# Altium PCB DIO_MCX.PCBDOC (part 3 of 3)
Units mm, origin at the board's own origin, x right, y up, seen from the top; angles counter-clockwise.
Board outline 159.99 x 100 mm, 4 copper layers (L1, P2, P3, L4), stack 1.571 mm thick; 210 components, 126 nets, 816 pads, 324 vias.
Unrouted connection lines stored in the file: 1.
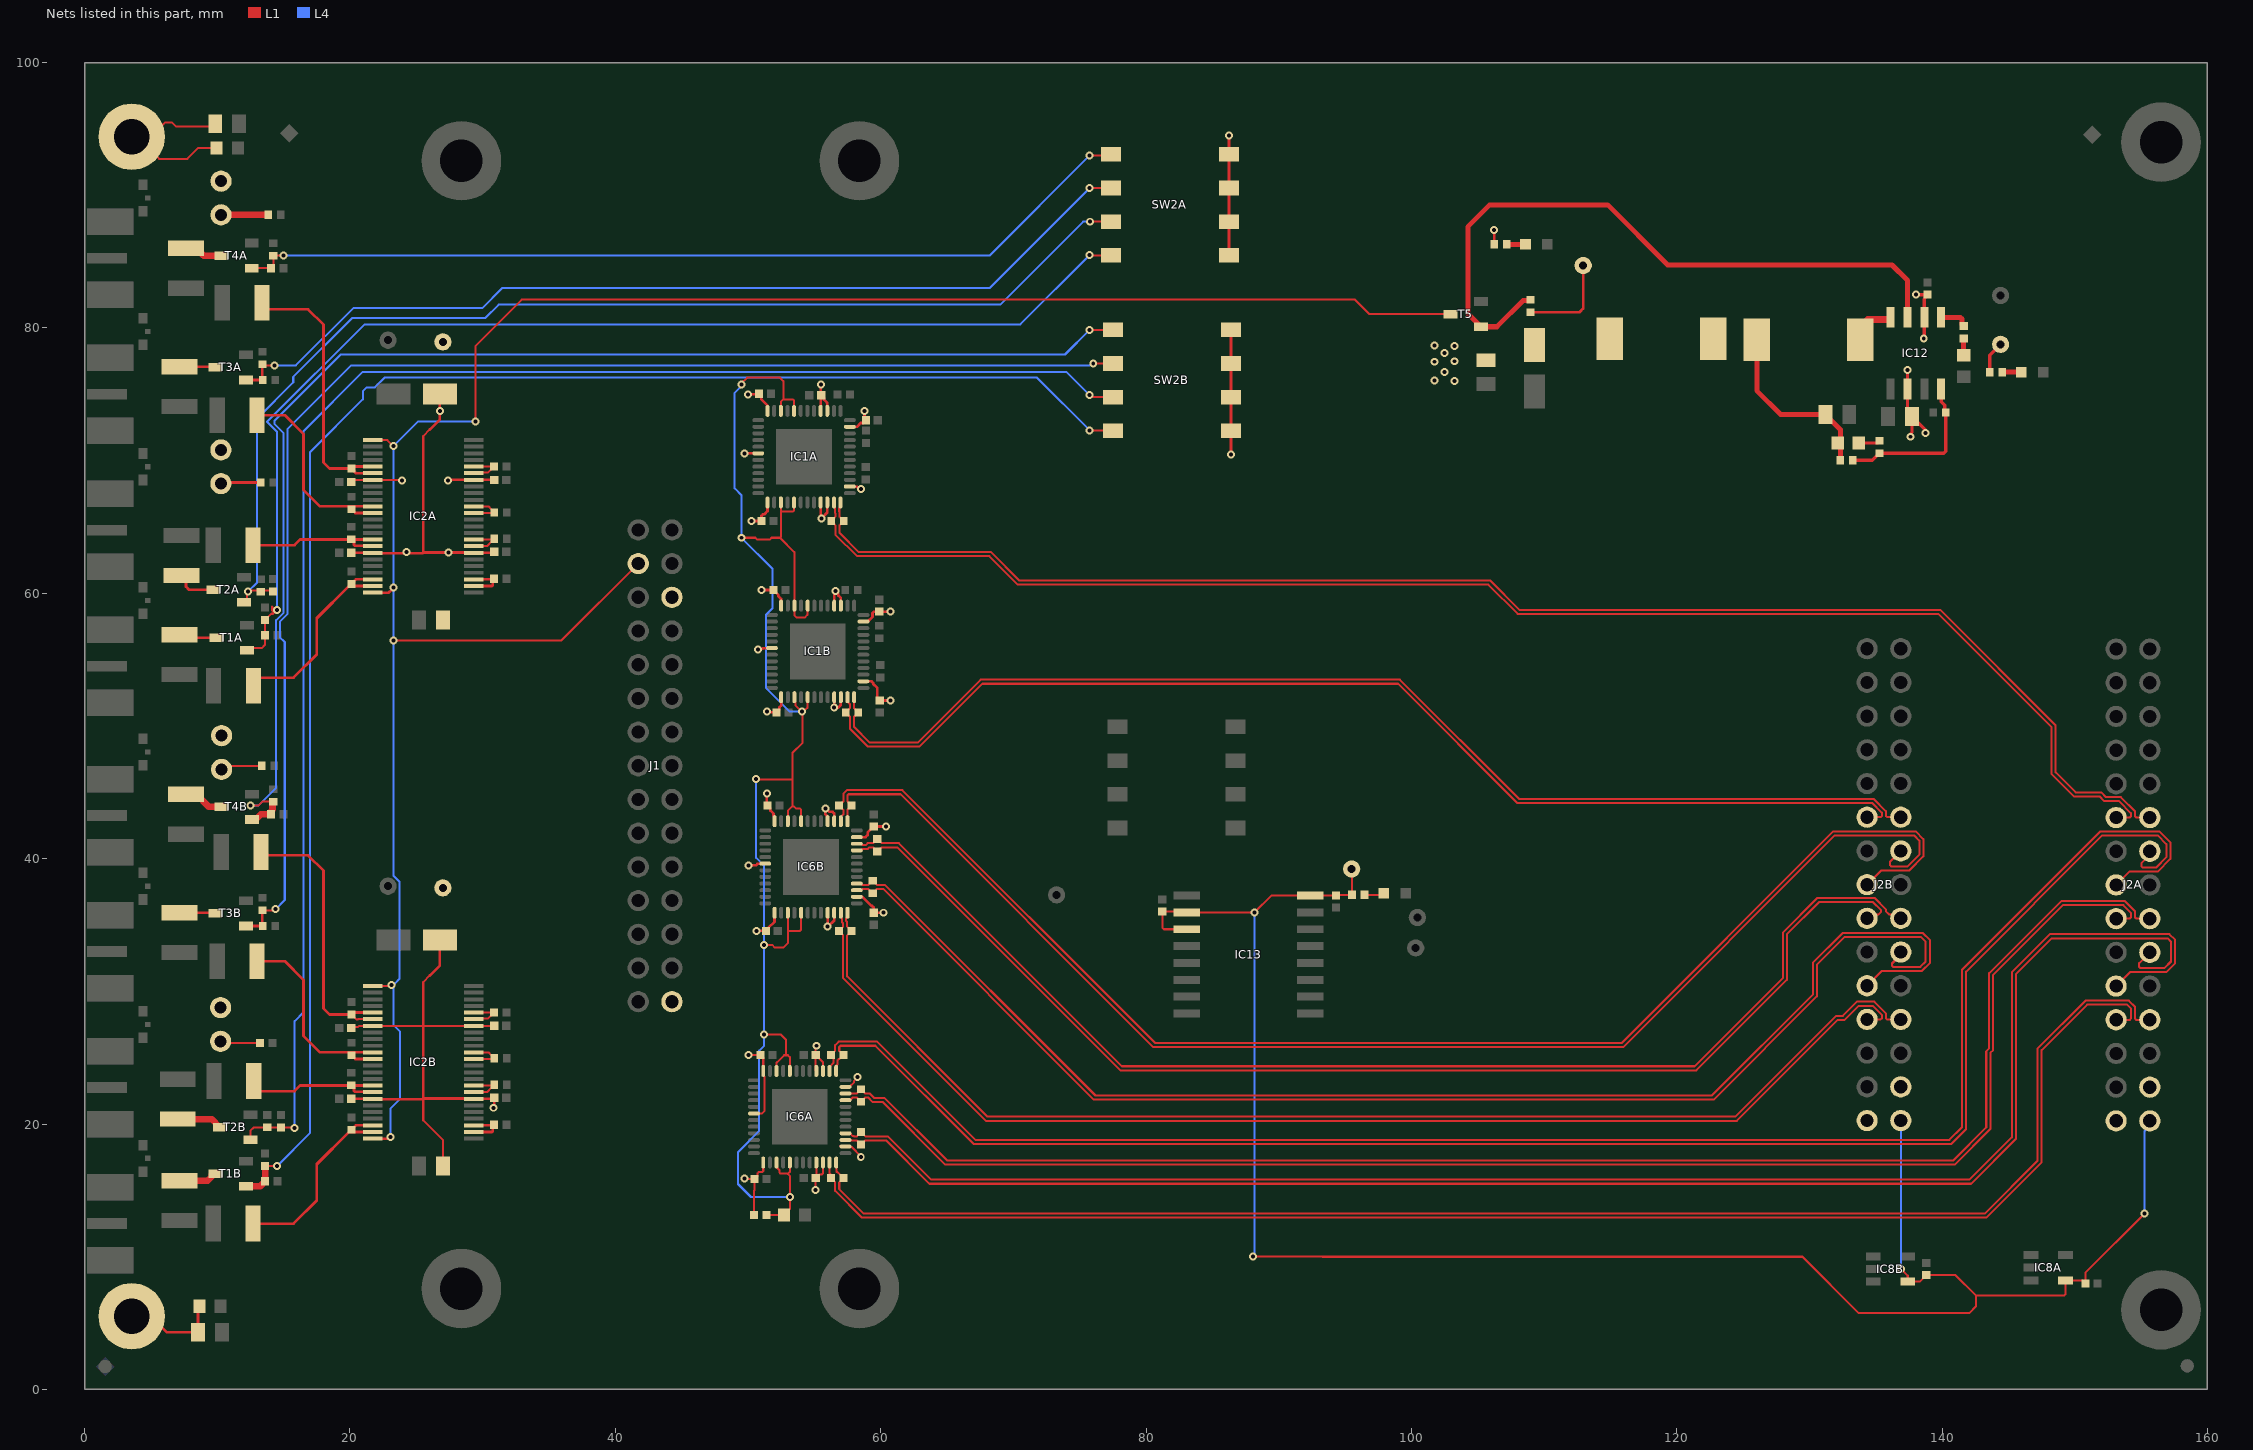
[diagram p5: the nets of this part, all layers, seen from the top]

## Via types
v1: diameter 0.6, hole 0.3, L1 to L4, tented both sides, 272 vias
v2: diameter 0.6, hole 0.3, L1 to L4, 52 vias

## Nets (pads, with @x,y where several pads share a name; then routed paths per layer and width w, separated by ;. In a path a pad name is that pad's centre, name@x,y a point inside that pad or via, vN(x,y) a via of type N, cw(c..) or ccw(c..) an arc to the next point about the centre after c; other vN are vias at no path point) (continued)
LVDS3A_N: IC1A.48 J2A.12 R7A.2 | length 112.6
  L1 w0.152: IC1A.48@56.975,66.85 56.975,66.51 56.877,66.412 56.877,66.171 56.896,66.152 56.896,65.772 56.986,65.682 57,65.682 57.214,65.469 R7A.2@57.214,65.449 57.214,65.429 57,65.215 56.986,65.215 56.896,65.126 56.896,64.551 58.347,63.101 68.32,63.101 70.457,60.964 105.927,60.964 108.142,58.75 139.843,58.75 148.555,50.038 148.555,46.502 150.057,45 151.989,45 152.354,44.635 153.463,44.635 154.537,43.562 154.537,43.188 154.626,43.098 J2A.12@155.654,43.098
LVDS3A_P: IC1A.47 J2A.11 R7A.1 | length 112.6
  L1 w0.152: IC1A.47@56.475,66.85 56.475,66.51 56.573,66.412 56.573,66.045 56.592,66.026 56.592,65.772 56.502,65.682 56.488,65.682 56.274,65.469 R7A.1@56.274,65.449 56.274,65.429 56.488,65.215 56.502,65.215 56.592,65.126 56.592,64.425 58.22,62.796 68.194,62.796 70.33,60.66 105.801,60.66 108.015,58.445 139.717,58.445 148.25,49.912 148.25,46.376 149.931,44.695 151.863,44.695 152.228,44.33 153.337,44.33 154.232,43.435 154.232,43.188 154.143,43.098 J2A.11@153.114,43.098
LVDS3B_N: IC1B.48 J2B.12 R7B.2 | length 88.4
  L1 w0.152: IC1B.48@58,52.17 57.987,52.157 57.987,51.348 58.077,51.259 58.091,51.259 58.305,51.045 R7B.2@58.305,51.025 58.305,51.005 58.091,50.791 58.077,50.791 57.987,50.702 57.987,49.935 59.172,48.75 62.793,48.75 67.531,53.488 99.128,53.488 108.116,44.5 134.853,44.5 135.766,43.587 135.766,43.213 135.855,43.124 J2B.12@136.884,43.124
LVDS3B_P: IC1B.47 J2B.11 R7B.1 | length 88.5
  L1 w0.152: IC1B.47@57.5,52.17 57.5,51.83 57.683,51.647 57.683,51.348 57.593,51.259 57.579,51.259 57.365,51.045 R7B.1@57.365,51.025 57.365,51.005 57.579,50.791 57.593,50.791 57.683,50.702 57.683,49.809 59.046,48.445 62.919,48.445 67.657,53.184 99.001,53.184 107.99,44.195 134.727,44.195 135.461,43.461 135.461,43.213 135.372,43.124 J2B.11@134.344,43.124
LVDS4A_N: IC6A.14 J2A.15 R5A.2 | length 129.1
  L1 w0.152: IC6A.14@56.15,24 56.15,24.328 56.373,24.552 56.373,24.559 56.443,24.629 56.443,24.966 R5A.2@56.299,25.111 ; R5A.2@56.255,25.2 56.255,25.22 56.469,25.434 56.483,25.434 56.573,25.523 56.573,25.937 56.84,26.205 59.726,26.205 67.131,18.8 140.55,18.8 141.5,19.75 141.5,31.619 151.936,42.055 156.376,42.055 157.208,41.224 157.208,39.983 156.246,39.022 154.118,39.022 J2A.15@153.114,38.018
LVDS4A_P: IC6A.13 J2A.14 R5A.1 | length 126.8
  L1 w0.152: IC6A.13@56.65,24 56.678,24.028 56.678,24.433 56.748,24.503 56.748,24.798 56.837,24.887 56.882,24.887 R5A.1@57.195,25.2 57.195,25.22 56.981,25.434 56.967,25.434 56.877,25.523 56.877,25.811 56.967,25.9 59.6,25.9 67.005,18.495 140.676,18.495 141.805,19.624 141.805,31.493 152.062,41.75 156.25,41.75 156.903,41.097 156.903,40.109 156.12,39.326 155.113,39.326 155.023,39.416 155.023,39.667 155.654,40.299 J2A.14@155.654,40.558
LVDS4B_N: IC6B.14 J2B.15 R5B.2 | length 105.1
  L1 w0.152: IC6B.14@57,42.825 57,43.165 57.183,43.348 57.183,43.677 57.093,43.766 57.079,43.766 56.865,43.98 R5B.2@56.865,44 56.865,44.02 57.079,44.234 57.093,44.234 57.183,44.323 57.183,44.892 57.45,45.16 61.626,45.16 80.681,26.105 115.841,26.105 131.791,42.055 138.008,42.055 138.586,41.478 138.586,40.172 137.524,39.111 135.411,39.111 J2B.15@134.344,38.044
LVDS4B_P: IC6B.13 J2B.14 R5B.1 | length 102.8
  L1 w0.152: IC6B.13@57.5,42.825 57.487,42.838 57.487,43.677 57.577,43.766 57.591,43.766 57.805,43.98 R5B.1@57.805,44 57.805,44.02 57.591,44.234 57.577,44.234 57.487,44.323 57.487,44.766 57.577,44.855 61.5,44.855 80.555,25.8 115.967,25.8 131.917,41.75 137.882,41.75 138.281,41.351 138.281,40.299 137.398,39.416 136.16,39.416 136.071,39.505 136.071,39.771 J2B.14@136.884,40.584
LVDS5A_N: IC6A.10 J2A.18 R24A.2 | length 116.3
  L1 w0.152: IC6A.10@57.35,22.3 57.353,22.303 58.202,22.303 58.291,22.392 58.291,22.407 58.505,22.621 R24A.2@58.525,22.621 58.545,22.621 58.759,22.407 58.759,22.392 58.848,22.303 59.19,22.303 59.537,21.956 60.303,21.956 65.008,17.25 140.826,17.25 143.326,19.75 143.326,25.484 143.542,25.7 143.542,31.366 148.98,36.805 153.781,36.805 154.537,36.049 154.537,35.568 154.626,35.478 J2A.18@155.654,35.478
LVDS5A_P: IC6A.9 J2A.17 R24A.1 | length 115.9
  L1 w0.152: IC6A.9@57.35,21.8 57.69,21.8 57.888,21.998 58.202,21.998 58.291,21.909 58.291,21.895 58.505,21.681 R24A.1@58.525,21.681 58.545,21.681 58.759,21.895 58.759,21.909 58.848,21.998 59.064,21.998 59.411,21.651 60.177,21.651 64.882,16.945 140.953,16.945 143.631,19.624 143.631,25.358 143.847,25.574 143.847,31.24 149.107,36.5 153.655,36.5 154.232,35.923 154.232,35.568 154.143,35.478 J2A.17@153.114,35.478
LVDS5B_N: IC6B.10 J2B.18 R24B.2 | length 94
  L1 w0.152: IC6B.10@58.2,41.125 58.54,41.125 58.638,41.027 58.879,41.027 59.015,41.164 59.427,41.164 59.516,41.253 59.516,41.268 59.73,41.482 R24B.2@59.75,41.482 59.77,41.482 59.984,41.268 59.984,41.253 60.073,41.164 61.376,41.164 78.185,24.355 121.355,24.355 128,31 128,34.431 130.61,37.041 134.901,37.041 135.766,36.175 135.766,36.049 136.035,35.781 136.607,35.781 J2B.18@136.884,35.504
LVDS5B_P: IC6B.9 J2B.17 R24B.1 | length 93.4
  L1 w0.152: IC6B.9@58.2,40.625 58.54,40.625 58.638,40.723 59.005,40.723 59.141,40.859 59.427,40.859 59.516,40.77 59.516,40.755 59.73,40.542 R24B.1@59.75,40.542 59.77,40.542 59.984,40.755 59.984,40.77 60.073,40.859 61.25,40.859 78.059,24.05 121.481,24.05 128.305,30.874 128.305,34.305 130.736,36.736 134.775,36.736 135.398,36.112 135.398,35.986 135.193,35.781 134.621,35.781 J2B.17@134.344,35.504
LVDS6A_N: IC6A.4 J2A.21 R21A.2 | length 124
  L1 w0.152: IC6A.4@57.35,19.3 57.69,19.3 57.909,19.081 57.983,19.081 57.986,19.077 58.202,19.077 58.291,19.167 58.291,19.181 58.505,19.395 R21A.2@58.525,19.395 58.545,19.395 58.759,19.181 58.759,19.167 58.848,19.077 60.526,19.077 63.799,15.805 142.055,15.805 145.25,19 145.25,31.431 148.124,34.305 157.126,34.305 157.555,33.876 157.555,32.124 156.876,31.445 154.161,31.445 J2A.21@153.114,30.398
LVDS6A_P: IC6A.3 J2A.20 R21A.1 | length 122.2
  L1 w0.152: IC6A.3@57.35,18.8 57.374,18.776 57.857,18.776 57.86,18.773 58.202,18.773 58.291,18.683 58.291,18.669 58.505,18.455 R21A.1@58.525,18.455 58.545,18.455 58.759,18.669 58.759,18.683 58.848,18.773 60.4,18.773 63.673,15.5 142.181,15.5 145.555,18.874 145.555,31.305 148.25,34 157,34 157.25,33.75 157.25,32.25 156.75,31.75 154.931,31.75 154.842,31.839 154.842,32.126 J2A.20@155.654,32.938
LVDS6B_N: IC6B.4 J2B.21 R21B.2 | length 101.6
  L1 w0.152: IC6B.4@58.2,38.125 58.54,38.125 58.638,38.027 59.077,38.027 59.166,38.117 59.166,38.131 59.38,38.345 R21B.2@59.4,38.345 59.42,38.345 59.634,38.131 59.634,38.117 59.723,38.027 60.315,38.027 76.191,22.151 122.651,22.151 130.25,29.75 130.25,32.144 132.503,34.397 138.548,34.397 139.068,33.876 139.068,32.124 138.479,31.534 135.454,31.534 J2B.21@134.344,30.424
LVDS6B_P: IC6B.3 J2B.20 R21B.1 | length 99.6
  L1 w0.152: IC6B.3@58.2,37.625 58.54,37.625 58.638,37.723 59.077,37.723 59.166,37.633 59.166,37.619 59.38,37.405 R21B.1@59.4,37.405 59.42,37.405 59.634,37.619 59.634,37.633 59.723,37.723 60.189,37.723 76.065,21.846 122.777,21.846 130.555,29.624 130.555,32.018 132.629,34.092 138.422,34.092 138.763,33.75 138.763,32.25 138.353,31.839 136.314,31.839 136.224,31.929 136.224,32.101 136.884,32.761 J2B.20@136.884,32.964
LVDS7A_N: IC6A.48 J2A.24 R16A.2 | length 114.7
  L1 w0.152: IC6A.48@56.65,17.1 56.678,17.072 56.678,16.389 56.699,16.368 ; 56.713,16.383 56.739,16.356 56.764,16.356 R16A.2@57.195,15.925 57.195,15.905 56.981,15.691 56.967,15.691 56.877,15.602 56.877,15.094 58.721,13.25 143.2,13.25 147.2,17.25 147.2,25.7 150.805,29.305 154.077,29.305 154.537,28.845 154.537,27.948 154.626,27.858 J2A.24@155.654,27.858
LVDS7A_P: IC6A.47 J2A.23 R16A.1 | length 114.5
  L1 w0.152: IC6A.47@56.15,17.1 56.15,16.28 56.255,16.175 R16A.1@56.255,15.925 56.255,15.905 56.469,15.691 56.483,15.691 56.573,15.602 56.573,14.968 58.595,12.945 143.326,12.945 147.505,17.124 147.505,25.574 150.931,29 153.951,29 154.232,28.719 154.232,27.948 154.143,27.858 J2A.23@153.114,27.858
LVDS7B_N: IC6B.48 J2B.24 R16B.2 | length 93.3
  L1 w0.152: IC6B.48@57.5,35.925 57.5,35.585 57.402,35.487 57.402,35.321 57.477,35.246 57.477,34.873 57.567,34.784 57.581,34.784 57.795,34.57 R16B.2@57.795,34.55 57.795,34.53 57.581,34.316 57.567,34.316 57.477,34.227 57.477,31.123 68.05,20.55 124.409,20.55 132.019,28.16 132.519,28.16 133.576,29.217 134.896,29.217 135.766,28.347 135.766,27.973 135.855,27.884 J2B.24@136.884,27.884
LVDS7B_P: IC6B.47 J2B.23 R16B.1 | length 93.3
  L1 w0.152: IC6B.47@57,35.925 57,35.585 57.098,35.487 57.098,35.195 57.173,35.12 57.173,34.873 57.083,34.784 57.069,34.784 56.855,34.57 R16B.1@56.855,34.55 56.855,34.53 57.069,34.316 57.083,34.316 57.173,34.227 57.173,30.996 67.924,20.245 124.535,20.245 132.145,27.855 132.645,27.855 133.702,28.912 134.77,28.912 135.461,28.221 135.461,27.973 135.372,27.884 J2B.23@134.344,27.884
Mezz_Buf_OEn: IC2A.25 IC2A.48 IC2B.25 IC2B.48 J1.28 T5.3 | length 168.7
  L1 w0.152: IC2B.25@21.725,30.4 23.228,30.4 v1(23.14,30.488) ; IC2A.25@21.725,71.55 22.825,71.55 23.275,71.1 v1(23.275,71.092) ; v1(23.049,19.024) v1@23.173,19.148 ; v1@23.173,60.298 23.275,60.4 v1(23.275,60.422) ; v1(23.275,56.454) 35.944,56.454 J1.28@41.73,62.24 ; v1(29.45,72.961) 29.45,78.635 32.947,82.132 95.75,82.132 96.842,81.04 T5.3@102.95,81.04
  L1 w0.203: IC2B.48@21.725,18.9 22.925,18.9 v1@23.173,19.148 ; IC2A.48@21.725,60.05 22.925,60.05 v1@23.173,60.298
  L4 w0.152: v1(23.049,19.024) 23.049,21.168 23.778,21.897 23.778,26.94 23.288,27.43 23.288,30.34 23.214,30.414 23.214,30.441 23.347,30.574 23.373,30.574 23.728,30.928 23.728,38.278 23.275,38.732 v1(23.275,56.454) v1(23.275,60.422) v1(23.275,71.092) 25.144,72.961 v1(29.45,72.961)
NetB13_1: B13.1 C5.1 R34.2 | length 4.8
  L1 w0.203: 5.9,4.6 6.2,4.3 C5.1@8.55,4.3 8.55,6.168 R34.2@8.65,6.268
NetB14_1: B14.1 C6.1 R35.2 | length 14.4
  L1 w0.152: C6.1@9.85,95.388 9.631,95.168 6.896,95.168 6.566,95.499 6.099,95.499 5.94,95.339 4.484,95.339 B14.1@3.556,94.412 3.965,94.412 5.627,92.75 7.75,92.75 8.568,93.568 R35.2@9.95,93.568
NetC94_1: C94.1 R68.2 | length 1.6
  L1 w0.254: C94.1@133.725,71.325 135.1,71.325 R68.2@135.27,71.495
NetC94_2: C94.2 C121.2 L1.1 L6.2 R101.2 | length 13.7
  L1 w0.381: L6.2@126.038,79.109 126.038,75.275 127.838,73.475 C121.2@131.2,73.475 132.33,72.345 132.33,71.325 R101.2@132.33,70.025
NetC95_2: C95.2 R104.1 | length 1.3
  L1 w0.381: C95.2@141.625,77.935 R104.1@141.625,79.205
NetIC1A_20: IC1A.20 IC1A.22 IC1A.39 IC1A.41 IC1B.20 IC1B.22 IC1B.39 IC1B.41 IC6A.20 IC6A.22 IC6A.39 IC6A.41 IC6B.20 IC6B.22 IC6B.39 IC6B.41 R30.1 R31.1 | length 122.3
  L1 w0.152: v1(49.5,64.187) 50.557,64.187 50.697,64.047 51.633,64.047 51.774,64.187 52.411,64.187 ; v1(49.5,75.725) 49.5,75.825 49.929,76.253 52.411,76.253 52.672,75.992 52.672,74.622 ; v1(50.607,46) 50.658,45.949 53.337,45.949 ; v1(51.189,26.75) 52.462,26.75 52.862,26.35 52.862,25.184 ; v1(51.189,33.5) 51.819,33.5 52.024,33.295 52.655,33.295 53,33.64 53,34.55 ; R30.1@51.391,13.15 R31.1@52.71,13.15 53.15,13.59 v1(53.15,14.5) 53.15,16.098 52.973,16.274 ; IC6A.39@52.15,17.1 52.15,16.76 52.224,16.686 52.224,16.676 52.363,16.537 52.363,16.364 52.452,16.274 52.973,16.274 ; IC6A.22@52.15,24 52.15,24.603 52.363,24.817 52.363,24.823 52.724,25.184 52.862,25.184 ; IC1A.39@52.475,66.85 52.475,66.175 52.5,66.15 ; IC1A.22@52.475,73.75 52.475,74.425 52.672,74.622 ; IC6B.39@53,35.925 53,34.55 ; IC6B.22@53,42.825 53,43.6 53.337,43.937 ; IC6A.41@53.15,17.1 53.15,16.4 53.024,16.274 52.973,16.274 ; IC6A.20@53.15,24 53.15,25.034 53,25.184 52.862,25.184 ; IC1A.41@53.475,66.85 53.475,66.239 53.386,66.15 52.5,66.15 ; IC1A.20@53.475,73.75 53.475,74.532 53.386,74.622 52.672,74.622 ; IC1B.39@53.5,52.17 53.5,51.83 53.574,51.756 53.574,51.576 v1(54.062,51.088) ; IC6B.41@54,35.925 53.997,35.922 53.997,34.652 53.896,34.55 53,34.55 ; IC6B.20@54,42.825 54,43.702 53.911,43.792 53.608,43.792 53.463,43.937 53.337,43.937 ; IC1B.41@54.5,52.17 54.475,52.145 54.475,51.375 54.188,51.088 v1(54.062,51.088) ; IC1B.20@54.5,59.07 54.475,59.045 54.475,58.37 54.265,58.16 53.683,58.16 53.5,58.343 IC1B.22@53.5,59.07 53.497,59.073 53.497,63.101 52.411,64.187 ; 52.411,64.187 52.5,64.276 52.5,66.15 ; 53.337,43.937 53.337,45.949 ; 53.337,45.949 53.337,47.962 54.125,48.75 54.125,51.025 v1(54.062,51.088)
  L4 w0.152: v1(49.5,75.725) 49.5,75.604 48.997,75.101 48.997,67.91 49.5,67.407 v1(49.5,64.187) 51.85,61.837 51.85,58.867 51.35,58.367 51.35,52.87 53.132,51.088 v1(54.062,51.088) ; v1(50.607,46) 50.607,40.06 51.189,39.478 v1(51.189,33.5) v1(51.189,26.75) 51.189,25.866 50.847,25.523 50.847,19.486 49.247,17.886 49.247,16.792 49.25,16.788 49.25,16.101 49.247,16.098 49.247,15.48 50.227,14.5 v1(53.15,14.5)
NetIC2A_2: IC2A.2 IC2A.3 R26A.1 | length 3.5
  L1 w0.203: IC2A.2@29.325,60.55 30.709,60.55 30.763,60.604 30.763,61.008 R26A.1@30.805,61.05 ; IC2A.3@29.325,61.05 R26A.1@30.805,61.05 ; R26A.1@30.855,61.1 R26A.1@30.805,61.05
NetIC2A_8: IC2A.8 IC2A.9 R27A.1 | length 3.4
  L1 w0.152: IC2A.8@29.325,63.55 30.329,63.55 30.661,63.882 30.875,64.096 R27A.1@30.875,64.116 30.809,64.05 IC2A.9@29.325,64.05
NetIC2A_13: IC2A.13 IC2A.14 R28A.1 | length 3.3
  L1 w0.152: IC2A.13@29.325,66.05 30.825,66.05 R28A.1@30.875,66.1 30.875,66.12 30.661,66.334 30.445,66.55 IC2A.14@29.325,66.55
NetIC2A_19: IC2A.19 IC2A.20 R29A.1 | length 3.3
  L1 w0.152: IC2A.19@29.325,69.05 29.365,69.09 30.395,69.09 30.621,69.316 30.641,69.316 30.855,69.53 R29A.1@30.855,69.55 IC2A.20@29.325,69.55
NetIC2A_29: IC2A.29 IC2A.30 R17A.2 R149A.2 | length 21.4
  L1 w0.203: R17A.2@13.374,81.9 13.874,81.4 16.849,81.4 18,80.249 18,69.874 18.47,69.404 R149A.2@20.11,69.404 ; IC2A.30@21.725,69.05 20.464,69.05 20.318,69.196 20.318,69.216 20.13,69.404 R149A.2@20.11,69.404 ; IC2A.29@21.725,69.55 20.256,69.55 R149A.2@20.11,69.404
NetIC2A_35: IC2A.35 IC2A.36 R15A.2 R146A.2 | length 15.8
  L1 w0.203: R15A.2@13,73.423 15.087,73.423 16.5,72.01 16.5,67.8 17.75,66.55 IC2A.35@21.725,66.55 ; R146A.2@20.11,66.33 20.13,66.33 20.41,66.05 IC2A.36@21.725,66.05
NetIC2A_40: IC2A.40 IC2A.41 R14A.2 R143A.2 | length 11.2
  L1 w0.203: R14A.2@12.7,63.626 15.826,63.626 16.25,64.05 R143A.2@20.15,64.05 ; R143A.2@20.1,64.08 20.12,64.08 R143A.2@20.15,64.05 ; IC2A.41@21.725,63.55 21.686,63.589 20.36,63.589 20.308,63.64 20.308,63.892 R143A.2@20.15,64.05 ; IC2A.40@21.725,64.05 R143A.2@20.15,64.05
NetIC2A_46: IC2A.46 IC2A.47 R12A.2 R140A.2 | length 15.3
  L1 w0.203: R12A.2@12.7,53.643 15.76,53.643 17.5,55.383 17.5,58.119 19.931,60.55 IC2A.47@21.725,60.55 ; R140A.2@20.11,60.709 20.13,60.709 20.318,60.897 20.318,60.917 20.451,61.05 IC2A.46@21.725,61.05
NetIC2B_2: IC2B.2 IC2B.3 R26B.1 | length 3.5
  L1 w0.203: IC2B.2@29.325,19.4 30.709,19.4 30.763,19.454 30.763,19.858 R26B.1@30.805,19.9 ; IC2B.3@29.325,19.9 R26B.1@30.805,19.9 ; R26B.1@30.855,19.95 R26B.1@30.805,19.9
NetIC2B_8: IC2B.8 IC2B.9 R27B.1 | length 3.4
  L1 w0.152: IC2B.8@29.325,22.4 30.329,22.4 30.661,22.732 30.875,22.946 R27B.1@30.875,22.966 30.809,22.9 IC2B.9@29.325,22.9
NetIC2B_13: IC2B.13 IC2B.14 R28B.1 | length 3.3
  L1 w0.152: IC2B.13@29.325,24.9 30.825,24.9 R28B.1@30.875,24.95 30.875,24.97 30.661,25.184 30.445,25.4 IC2B.14@29.325,25.4
NetIC2B_19: IC2B.19 IC2B.20 R29B.1 | length 3.3
  L1 w0.152: IC2B.19@29.325,27.9 29.365,27.94 30.395,27.94 30.621,28.166 30.641,28.166 30.855,28.38 R29B.1@30.855,28.4 IC2B.20@29.325,28.4
NetIC2B_29: IC2B.29 IC2B.30 R17B.2 R149B.2 | length 21.4
  L1 w0.152: R149B.2@20.11,28.254 20.478,27.886 20.605,27.886 20.619,27.9 IC2B.30@21.725,27.9
  L1 w0.203: R17B.2@13.374,40.75 13.874,40.25 16.849,40.25 18,39.099 18,28.724 18.47,28.254 R149B.2@20.11,28.254 20.256,28.4 IC2B.29@21.725,28.4
NetIC2B_35: IC2B.35 IC2B.36 R15B.2 R146B.2 | length 15.8
  L1 w0.203: R15B.2@13,32.273 15.087,32.273 16.5,30.86 16.5,26.65 17.75,25.4 IC2B.35@21.725,25.4 ; R146B.2@20.11,25.18 20.13,25.18 20.41,24.9 IC2B.36@21.725,24.9
NetIC2B_40: IC2B.40 IC2B.41 R14B.2 R143B.2 | length 11.2
  L1 w0.203: R14B.2@12.7,22.476 15.826,22.476 16.25,22.9 R143B.2@20.15,22.9 ; R143B.2@20.1,22.93 20.12,22.93 R143B.2@20.15,22.9 ; IC2B.41@21.725,22.4 21.686,22.439 20.36,22.439 20.308,22.49 20.308,22.742 R143B.2@20.15,22.9 ; IC2B.40@21.725,22.9 R143B.2@20.15,22.9
NetIC2B_46: IC2B.46 IC2B.47 R12B.2 R140B.2 | length 15.3
  L1 w0.203: R12B.2@12.7,12.493 15.76,12.493 17.5,14.233 17.5,16.969 19.931,19.4 IC2B.47@21.725,19.4 ; R140B.2@20.11,19.559 20.13,19.559 20.318,19.747 20.318,19.767 20.451,19.9 IC2B.46@21.725,19.9
NetIC12_4: IC12.4 R68.1 R101.1 R103.1 | length 12.1
  L1 w0.254: R101.1@133.27,70.025 134.74,70.025 R68.1@135.27,70.555 140.121,70.555 140.27,70.704 R103.1@140.27,73.625 140.188,73.707 140.188,74.167 139.93,74.425 IC12.4@139.93,75.4
NetIC12_5: IC12.5 R104.2 | length 2.2
  L1 w0.381: IC12.5@139.93,80.8 141.375,80.8 141.506,80.67 141.506,80.245 141.605,80.145 R104.2@141.625,80.145
NetIC12_7: IC12.7 R105.1 T5.1 | length 51.5
  L1 w0.381: R105.1@108.975,82.132 108.897,82.054 108.407,82.054 106.443,80.09 T5.1@105.25,80.09 104.25,81.09 104.25,87.624 105.901,89.275 114.793,89.275 119.318,84.75 136.23,84.75 137.39,83.59 IC12.7@137.39,80.8
NetIC12_8: IC12.8 L6.1 | length 3.6
  L1 w0.5: L6.1@133.838,79.109 133.838,80.072 134.4,80.634 136.07,80.634 136.12,80.684 IC12.8@136.12,80.8
NetLD1_1: LD1.1 R2.1 | length 3
  L1 w0.203: LD1.1@10.274,68.267 10.357,68.35 R2.1@13.28,68.35
NetLD2_1: LD2.1 R1.1 | length 3.6
  L1 w0.5: LD2.1@10.283,88.523 R1.1@13.844,88.523
NetLD3_1: LD3.1 R32.1 | length 3
  L1 w0.152: LD3.1@10.25,26.236 10.38,26.106 R32.1@13.218,26.106
NetLD4_2: LD4.2 R6.1 | length 1.4
  L1 w0.381: R6.1@144.527,76.665 LD4.2@145.975,76.665
NetLD5_1: LD5.1 R33.1 | length 3.1
  L1 w0.152: LD5.1@10.323,46.73 10.593,47 R33.1@13.36,47
NetLD7_2: LD7.2 R8.2 | length 1.4
  L1 w0.381: R8.2@107.182,86.3 LD7.2@108.6,86.3
NetLD9_2: LD9.2 R10.2 | length 1.5
  L1 w0.152: R10.2@96.47,37.274 97.814,37.274 LD9.2@97.925,37.385
NetR139A_1: R139A.1 T1A.3 | length 2.9
  L1 w0.152: R139A.1@7.15,56.883 7.383,56.65 T1A.3@9.933,56.65
NetR139B_1: R139B.1 T1B.3 | length 3
  L1 w0.5: R139B.1@7.15,15.733 9.285,15.733 9.578,16.026 9.578,16.179 9.653,16.254 T1B.3@9.853,16.254
NetR142A_1: R142A.1 T2A.3 | length 3.5
  L1 w0.152: R142A.1@7.055,61.101 R142A.1@7.305,61.351
  L1 w0.203: R142A.1@7.305,61.351 7.65,61.006 7.65,60.501 7.883,60.269 T2A.3@9.7,60.269
NetR142B_1: R142B.1 T2B.3 | length 3.4
  L1 w0.5: R142B.1@7.016,20.371 9.584,20.371 T2B.3@10.192,19.763
NetR145A_1: R145A.1 T3A.3 | length 2.7
  L1 w0.203: R145A.1@7.15,77.081 9.798,77.081 T3A.3@9.85,77.029
NetR145B_1: R145B.1 T3B.3 | length 2.7
  L1 w0.203: R145B.1@7.15,35.931 9.798,35.931 T3B.3@9.85,35.879
NetR148A_1: R148A.1 T4A.3 | length 2.9
  L1 w0.5: R148A.1@7.65,86 8.425,86 8.975,85.45 T4A.3@10.3,85.45
NetR148B_1: R148B.1 T4B.3 | length 3
  L1 w0.5: R148B.1@7.65,44.85 8.425,44.85 9.375,43.9 T4B.3@10.3,43.9
P3V3: B5.1 B9A.1 B9B.1 C1A.2 C1B.2 C2A.2 C2B.2 C3A.2 C3B.2 C4A.2 C4B.2 C7A.2 C7B.2 C8A.2 C8B.2 C9A.2 C9B.2 C11A.2 C11B.2 C12A.2 C12B.2 C13.1 C14.2 C48A.2 C48B.2 C49A.2 C49B.2 C50A.2 C50B.2 C51A.2 C51B.2 C52A.1 C52B.1 IC1A.2 IC1A.11 IC1A.15 IC1A.16 IC1A.24 IC1A.30 IC1A.37 IC1A.45 IC1A.46 IC1B.2 IC1B.11 IC1B.15 IC1B.16 IC1B.24 IC1B.30 IC1B.37 IC1B.45 IC1B.46 IC2A.7 IC2A.18 IC2A.31 IC2A.42 IC2B.7 IC2B.18 IC2B.31 IC2B.42 IC6A.2 IC6A.11 IC6A.15 IC6A.16 IC6A.24 IC6A.30 IC6A.37 IC6A.45 IC6A.46 IC6B.2 IC6B.11 IC6B.15 IC6B.16 IC6B.24 IC6B.30 IC6B.37 IC6B.45 IC6B.46 J1.1 J1.25 L1.2 LD1.2 LD2.2 LD3.2 LD5.2 R8.1 R30.2 R105.2 SW2A.1 SW2A.2 SW2A.3 SW2A.4 SW2B.1 SW2B.2 SW2B.3 SW2B.4 | length 166.6
  L1 w0.152: C48B.2@20.1,27.231 20.17,27.301 20.6,27.301 20.699,27.4 IC2B.31@21.725,27.4 25.525,27.4 ; C48A.2@20.1,68.381 20.269,68.55 IC2A.31@21.725,68.55 23.882,68.55 v1(23.925,68.507) ; 25.496,21.871 25.525,21.9 ; 25.496,63.021 25.525,63.05 25.525,71.85 26.025,72.35 ; 25.525,27.357 25.525,21.9 ; 26.025,31.2 25.525,30.7 25.525,27.4 ; C12B.2@27,16.839 27,18.8 25.525,20.275 25.525,21.9 ; C50B.2@30.875,27.4 IC2B.18@29.325,27.4 25.525,27.4 ; v1(49.75,15.889) 49.776,15.864 C2A.2@50.5,15.864 ; v1(50.04,25.211) C7A.2@50.95,25.211 51.15,25.011 IC6A.24@51.15,24 51.15,23.66 51.25,23.56 51.25,20.989 51.061,20.8 IC6A.30@50.45,20.8 ; R30.2@50.451,13.15 50.451,14.951 50.5,15 C2A.2@50.5,15.864 ; IC6A.37@51.15,17.1 51.15,16.466 51.061,16.377 50.81,16.377 50.718,16.284 50.718,16.081 C2A.2@50.5,15.864 ; v1(55.1,15.025) C11A.2@55.1,15.925 C11A.2@55.15,15.975 ; IC6A.45@55.15,17.4 IC6A.45@55.15,17.1 C11A.2@55.15,15.975 ; IC6A.16@55.15,24 55.1,24.05 C3A.2@55.1,25.2 ; v1(55.175,25.9) 55.1,25.825 C3A.2@55.1,25.2 ; IC6A.46@55.65,17.1 55.65,16.289 55.561,16.2 55.375,16.2 C11A.2@55.15,15.975 ; IC6A.15@55.65,24 55.65,24.659 55.561,24.749 55.551,24.749 C3A.2@55.1,25.2 ; IC6A.2@56.924,18.328 57.322,18.328 IC6A.2@57.35,18.3 57.378,18.272 57.808,18.272 58.5,17.58 v1(58.5,17.5) ; IC6A.11@57.35,22.8 57.65,22.8 58.003,23.154 58.003,23.247 58.25,23.494 v1(58.25,23.56)
  L1 w0.203: C51B.2@20.09,21.9 IC2B.42@21.725,21.9 21.754,21.871 25.496,21.871 ; C51A.2@20.09,63.05 IC2A.42@21.725,63.05 21.754,63.021 25.496,63.021 ; 25.525,21.9 25.554,21.929 29.296,21.929 IC2B.7@29.325,21.9 30.799,21.9 C49B.2@30.875,21.976 30.875,21.276 v1(30.825,21.226) ; 25.525,63.05 25.554,63.079 v1(27.425,63.079) 29.296,63.079 IC2A.7@29.325,63.05 30.799,63.05 C49A.2@30.875,63.126 ; 26.025,31.2 26.775,31.95 C52B.1@26.775,33.873 ; 26.025,72.35 26.775,73.1 v1(26.775,73.756) C52A.1@26.775,75.023 C52A.1@26.925,75.173 ; v1(27.403,68.507) 27.446,68.55 IC2A.18@29.325,68.55 C50A.2@30.875,68.55 ; v1(49.75,70.55) IC1A.30@50.775,70.55 ; v1(50,75) 50.783,75 C8A.2@50.825,75.042 51.006,74.861 51.006,74.622 51.475,74.153 IC1A.24@51.475,73.75 ; v1(50.04,39.5) 50.607,39.5 50.714,39.606 51.281,39.606 IC6B.30@51.3,39.625 ; v1(50.25,65.449) C9A.2@51.025,65.449 51.025,65.84 51.144,65.959 51.246,65.959 51.475,66.188 IC1A.37@51.475,66.85 ; v1(50.638,34.565) 51.335,34.565 C1B.2@51.35,34.55 51.558,34.758 51.558,34.802 52,35.243 IC6B.37@52,35.925 ; v1(50.75,55.75) 50.826,55.826 51.093,55.826 51.138,55.87 IC1B.30@51.8,55.87 ; v1(51.025,60.237) 51.031,60.243 C11B.2@51.925,60.243 52.286,59.881 52.286,59.777 52.481,59.582 52.481,59.089 IC1B.24@52.5,59.07 ; v1(51.425,44.904) 51.425,44.05 C2B.2@51.475,44 51.683,43.792 51.683,43.635 51.916,43.402 51.916,43.235 52,43.151 IC6B.24@52,42.825 ; v1(51.425,51.088) 51.488,51.025 C3B.2@52.15,51.025 52.358,51.233 52.358,51.389 52.5,51.53 IC1B.37@52.5,52.17 ; IC1A.45@55.475,66.85 55.475,65.7 v1(55.525,65.65) 55.975,66.1 IC1A.46@55.975,66.85 ; IC1A.16@55.475,73.75 55.475,75.725 v1(55.5,75.75) ; C4A.2@55.525,74.93 55.733,74.721 55.733,74.597 55.852,74.478 55.856,74.478 55.975,74.359 IC1A.15@55.975,73.75 ; IC6B.45@56,35.925 v1(56,34.873) 56.035,34.873 56.5,35.338 IC6B.46@56.5,35.925 ; IC6B.16@56,42.825 56,43.151 55.952,43.2 55.952,43.223 55.834,43.341 v1(55.834,43.792) 55.888,43.792 56.151,43.528 56.381,43.528 56.5,43.409 IC6B.15@56.5,42.825 ; IC1B.45@56.5,52.02 v1(56.5,51.394) 56.811,51.394 56.981,51.565 56.981,52.152 IC1B.46@57,52.17 ; IC1B.16@56.5,59.07 56.5,59.85 56.507,59.858 56.507,60.092 v1(56.583,60.168) 56.806,59.945 56.806,59.838 57,59.645 IC1B.15@57,59.07 ; IC1A.2@57.675,68.05 57.694,68.031 58.224,68.031 58.393,67.863 v1(58.5,67.863) ; IC1A.11@57.675,72.55 58.227,72.55 58.361,72.683 58.361,72.708 58.494,72.842 58.677,72.842 C1A.2@58.885,73.05 58.782,73.153 v1(58.782,73.75) ; IC6B.11@58.2,41.625 58.862,41.625 59.024,41.786 59.024,41.974 C7B.2@59.475,42.425 60.398,42.425 v1(60.4,42.423) ; IC6B.2@58.25,37.125 IC6B.2@58.2,37.125 58.219,37.106 58.633,37.106 59.305,36.435 59.356,36.435 59.475,36.316 C9B.2@59.475,35.925 v1(60.21,35.925) ; IC1B.2@58.7,53.37 59.317,53.37 59.436,53.251 59.436,53.184 59.75,52.87 59.75,52.11 C4B.2@59.935,51.925 v1(60.75,51.925) ; IC1B.11@58.7,57.87 59.026,57.87 59.148,57.991 59.157,57.991 59.379,58.213 59.379,58.501 59.498,58.62 C8B.2@59.9,58.62 v1(60.75,58.62) ; SW2A.1@86.25,85.465 v1(86.25,94.5) ; v1(86.4,70.474) SW2B.3@86.4,77.32 SW2B.4@86.4,79.86 ; v1(106.212,87.37) 106.242,87.34 R8.1@106.242,86.3 ; R105.2@108.975,81.192 112.688,81.192 112.95,81.454 B5.1@112.95,84.7
  other v1: 24.25,63.126 103.25,76 101.75,76.05 102.5,76.665 101.75,77.452 103.25,77.49 102.5,78.115 103.25,78.64 101.75,78.675
P3V3_MP: B3.1 C10A.2 C10B.2 C37.2 C38.2 IC8A.4 IC8B.4 IC13.2 IC13.3 IC13.16 J2A.30 J2B.30 R10.1 | length 145.3
  L1 w0.152: IC13.3@83.075,34.68 81.345,34.68 81.225,34.8 C38.2@81.225,36.025 83,36.025 IC13.2@83.075,35.95 v1(88.176,35.95) 89.446,37.22 IC13.16@92.375,37.22 94.319,37.22 C10B.2@94.323,37.224 94.373,37.274 R10.1@95.53,37.274 95.53,39.195 B3.1@95.5,39.225 ; v1(88.075,10) 93.288,10 93.292,9.997 129.476,9.997 133.723,5.75 142.036,5.75 142.536,6.25 142.536,7.087 ; v1(136.909,9.073) 137.409,8.573 IC8B.4@137.409,8.123 138.309,8.123 C37.2@138.809,8.623 141,8.623 142.536,7.087 ; v1(155.25,13.25) 150.8,8.8 C10A.2@150.8,7.985 150.562,8.223 IC8A.4@149.3,8.223 149.3,7.177 149.211,7.087 142.536,7.087
  L4 w0.152: v1(88.075,10) 88.075,10.121 88.176,10.222 v1(88.176,35.95) ; J2B.30@136.884,20.264 136.884,9.098 v1(136.909,9.073) ; v1(155.25,13.25) 155.25,19.442 155.654,19.847 J2A.30@155.654,20.238
P12V0: B6.1 C93.2 C123.2 IC12.2 IC12.6 J2A.28 J2A.29 J2B.28 J2B.29 R6.2 | length 13.6
  L1 w0.254: v1(137.39,76.835) IC12.2@137.39,75.4 137.39,73.66 C123.2@137.725,73.325 ; v1(137.603,71.8) 137.669,71.866 137.669,72.066 137.725,72.122 C123.2@137.725,73.325 ; v1(138.025,82.522) 138.032,82.515 C93.2@138.89,82.515 138.707,82.332 138.707,82.23 138.66,82.183 IC12.6@138.66,80.8 138.66,79.26 v1(138.615,79.215) ; v1(138.763,72.075) 138.697,72.141 138.697,72.353 C123.2@137.725,73.325 ; R6.2@143.587,76.665 143.587,77.945 B6.1@144.407,78.765
TERM_IOAA: R18A.1 R19A.2 SW2A.8 T1A.1 | length 88.7
  L1 w0.152: T1A.1@12.233,55.7 12.403,55.87 13.36,55.87 13.6,56.11 R18A.1@13.6,57.989 14.07,58.459 14.211,58.459 14.3,58.549 14.113,58.736 14.113,58.999 14.13,58.999 14.379,58.75 v1(14.5,58.75) ; v1(75.75,85.5) 75.785,85.465 SW2A.8@77.35,85.465
  L4 w0.152: v1(14.5,58.75) 14.5,72.173 13.75,72.923 21.102,80.275 70.525,80.275 v1(75.75,85.5)
TERM_IOAB: R18B.1 R19B.2 SW2B.8 T1B.1 | length 123.4
  L1 w0.152: R18B.1@13.6,16.839 v1(14.512,16.839) ; v1(75.75,72.283) 77.457,72.283 SW2B.8@77.5,72.24
  L1 w0.5: T1B.1@12.153,15.304 13.218,15.304 R19B.2@13.605,15.691 13.605,16.834 R18B.1@13.6,16.839
  L4 w0.152: v1(14.512,16.839) 17,19.328 17,70.65 20.972,74.622 20.972,75.232 21.267,75.526 21.876,75.526 22.603,76.253 71.78,76.253 v1(75.75,72.283)
TERM_IOBA: R20A.2 R25A.1 SW2A.7 T2A.1 | length 87.1
  L1 w0.152: T2A.1@12,59.319 12.233,59.552 12.233,60.05 v1(12.305,60.122) 12.377,60.194 R25A.1@14.265,60.194 ; R25A.1@14.211,60.14 R25A.1@14.265,60.194 ; R25A.1@14.32,60.249 R25A.1@14.265,60.194 ; v1(75.785,88.005) SW2A.7@77.35,88.005
  L4 w0.152: v1(12.305,60.122) 13,60.817 13,73.173 15.727,75.9 15.727,76.308 20.169,80.75 30.209,80.75 31.209,81.75 69,81.75 75.255,88.005 v1(75.785,88.005)
TERM_IOBB: R20B.2 R25B.1 SW2B.7 T2B.1 | length 120.6
  L1 w0.152: T2B.1@12.492,18.813 12.492,19.491 12.741,19.74 R25B.1@14.81,19.74 15.801,19.74 v1(15.826,19.715) ; v1(75.75,74.93) 75.871,74.93 76.021,74.78 SW2B.7@77.5,74.78
  L4 w0.152: v1(15.826,19.715) 15.826,27.747 16.5,28.421 16.5,72.223 20.962,76.685 73.995,76.685 v1(75.75,74.93)
TERM_IOCA: R3A.1 R22A.2 SW2A.6 T3A.1 | length 72
  L1 w0.152: R3A.1@13.4,77.261 13.488,77.173 v1(14.3,77.173) ; v1(75.75,90.545) SW2A.6@77.35,90.545
  L1 w0.203: T3A.1@12.15,76.079 R22A.2@13.43,76.079 13.4,76.109 R3A.1@13.4,77.261
  L4 w0.152: v1(14.3,77.173) 15.923,77.173 20.25,81.5 29.959,81.5 31.459,83 68.205,83 v1(75.75,90.545)
TERM_IOCB: R3B.1 R22B.2 SW2B.6 T3B.1 | length 104.6
  L1 w0.152: R3B.1@13.4,36.111 14.31,36.111 v1(14.392,36.193) ; v1(76.021,77.32) SW2B.6@77.5,77.32
  L1 w0.203: T3B.1@12.15,34.929 R22B.2@13.43,34.929 13.4,34.959 R3B.1@13.4,36.111
  L4 w0.152: v1(14.392,36.193) 15.087,36.888 15.087,56.329 14.721,56.695 14.721,57.864 15.283,58.426 15.283,72.358 20.098,77.173 75.753,77.173 75.9,77.32 v1(76.021,77.32)
TERM_IODA: R4A.1 R23A.2 SW2A.5 T4A.1 | length 68.8
  L1 w0.152: T4A.1@12.6,84.5 R23A.2@14.055,84.5 14.224,84.669 R4A.1@14.224,85.45 v1(14.995,85.45) ; v1(75.75,93) 77.265,93 SW2A.5@77.35,93.085
  L4 w0.152: v1(14.995,85.45) 68.2,85.45 v1(75.75,93)
TERM_IODB: R4B.1 R23B.2 SW2B.5 T4B.1 | length 100.9
  L1 w0.152: v1(12.5,44) 13.1,44 13.4,44.3 14.204,44.3 R4B.1@14.224,44.3 ; v1(75.75,79.86) SW2B.5@77.5,79.86
  L1 w0.5: T4B.1@12.9,42.95 13.3,43.35 R23B.2@14.055,43.35 14.095,43.39 14.095,43.634 14.164,43.703 14.164,44.26 R4B.1@14.204,44.3
  L4 w0.152: v1(12.5,44) 13.1,44 14.441,45.341 14.441,57.98 15.003,58.541 15.003,72.065 14.3,72.768 14.3,72.985 19.315,78 73.89,78 v1(75.75,79.86)
pads on no net: FTG1.FTG2 FTG2.FTG2 FTG17.FTG2 FTG18.1 FTG19.1 FTG20.1 IC1A.17 IC1A.44 IC1B.17 IC1B.44 IC2A.5 IC2A.6 IC2A.11 IC2A.12 IC2A.16 IC2A.17 IC2A.22 IC2A.23 IC2A.26 IC2A.27 IC2A.32 IC2A.33 IC2A.37 IC2A.38 IC2A.43 IC2A.44 IC2B.5 IC2B.6 IC2B.11 IC2B.12 IC2B.16 IC2B.17 IC2B.22 IC2B.23 IC2B.26 IC2B.27 IC2B.32 IC2B.33 IC2B.37 IC2B.38 IC2B.43 IC2B.44 IC6A.17 IC6A.44 IC6B.17 IC6B.44 IC8A.5 IC8B.5 IC13.9 IC13.10 IC13.11 IC13.12 IC13.13 LD15A.3 LD15B.3 LD16A.3 LD16B.3 LD17A.3 LD17B.3 LD18A.3 LD18B.3

## Polygon pours and split planes (outlines as drawn)
no net on L1 "NONET_L-01_P-001" (solid, pour order 8): 0.51,99.489 159,99.489 159,0.51 0.51,0.51
P3V3 on L1 "NONET_L-01_P-001" (solid, remove dead copper, pour order 6): 101.75,79.31 106.742,79.31 109.094,81.662 116.527,81.662 118,80.189 118,75.4 117.525,74.925 102,74.925 101.206,75.719 101.206,78.766
NetC94_2 on L1 "NONET_L-01_P-001" (solid, remove dead copper, pour order 4): 120.696,81.54 120.696,75.045 124.416,71.325 130.55,71.325 132.33,73.105 132.33,79.839 129.379,82.79 121.946,82.79
P3V3 on L1 "NONET_L-01_P-001" (solid, remove dead copper, pour order 2): 26.1,56.891 26.1,58.925 22.825,62.2 22.825,71.323 25.025,73.523 25.025,79.721 25.579,80.275 28.55,80.275 29.45,79.375 29.45,73.248 28.225,72.023 28.225,56.991 27.825,56.591 26.4,56.591
P3V3 on L1 "NONET_L-01_P-001" (solid, remove dead copper, pour order 0): 26.1,15.741 26.1,17.775 22.825,21.05 22.825,30.173 25.025,32.373 25.025,38.571 25.579,39.125 28.55,39.125 29.45,38.225 29.45,32.098 28.225,30.873 28.225,15.841 27.825,15.441 26.4,15.441
no net on L4 "NONET_L-01_P-001" (solid, pour order 10): 0.51,99.489 159.25,99.489 159.25,0.51 0.51,0.51
GND on P2 (split plane): 159.484,0.51 0.51,0.51 0.51,7.625 0.51,81.025 0.51,92 0.51,99.489 159.484,99.489
P3V3 on P3 (split plane): 159.484,0.51 0.51,0.51 0.51,7.625 0.51,81.025 0.51,92 0.51,99.489 159.484,99.489
P12V0 on P3 (split plane): 157.148,74.208 157.148,19.292 155.458,17.602 132.996,17.602 131.852,18.746 131.852,82.408 134.092,84.648 146.708,84.648

## Keep-outs
L1:
  lines w0.254: 6.302,3.398 6.302,2.816 6.404,2.715 ; 6.404,6.268 6.404,8.382 ; 6.404,91.562 6.404,92.302 ; 6.404,96.591 6.404,97.003 ; 6.429,93.568 6.429,95.168
L4:
  lines w0.254: 6.404,2.715 6.404,8.382 ; 6.404,91.562 6.404,97.003
Keep-Out Layer:
  drawing of 9345 lines, arcs and shapes, not listed

## Other copper
P3 (plane layer: these items are gaps in the copper):
  lines w0.2: 131.75,18.704 132.954,17.5 155.5,17.5 157.25,19.25 157.25,74.25 146.75,84.75 134.05,84.75 131.75,82.45 131.75,18.704

## Silkscreen, mask and mechanical layers (free items; w line width, h text height)
Top Overlay:
  drawing of 1239 lines, arcs and shapes, not listed
  text "G" at 8.563,93.822 h1.02
  text "TERM IO0" at 62.299,92.45 h1.5
  text "TERM IO2" at 62.299,89.7 h1.5
  text "G" at 11.154,89.55 h1.02
  text "TERM IO4" at 62.299,86.95 h1.5
  text "P3V3" at 108.5,84.493 h0.76
  text "TERM IO6" at 62.299,84.28 h1.5
  text "GND" at 20.269,80.65 h1.5
  text "TERM IO8" at 62.299,79.305 h1.5
  text "3V3" at 28.202,78.201 h1.5
  text "P12V0" at 146.225,77.975 h0.76
  text "TERM IO10" at 62.299,76.478 h1.5
  text "TERM IO12" at 62.299,74.09 h1.5
  text "TERM IO14" at 62,71.605 h1.5
  text "EEM 1" at 132.413,61.753 h1.52
  text "EEM 0" at 150.9,61.653 h1.52
  text "MCX_DIO16_v1.0" at 85.15,60.265 h1.5
  text "WUT ISE 2019" at 88.625,56.925 h1.02
  text "IO0-3 IN" at 60.339,49.115 h1.5
  text "IO0-3 OUT" at 87.75,49 h1.5
  text "IO4-7 IN" at 60.339,46.822 h1.5
  text "IO4-7 OUT" at 87.75,46.707 h1.5
  text "IO8-11 IN" at 60.464,44.177 h1.5
  text "IO8-11 OUT" at 87.875,44.062 h1.5
  text "IO12-15 IN" at 60.464,41.357 h1.5
  text "IO12-15 OUT" at 87.875,41.242 h1.5
  text "GND" at 20.09,39.75 h1.5
  text "P3V3MP" at 97.275,38.275 h0.76
  text "3V3" at 29.321,37.052 h1.5
  text "GND" at 67.131,34.475 h1.5
  text "SDA" at 96,32.775 h1
  text "SCL" at 95.3,32.375 h1
  text "P12V0" at 127.424,24.675 h0.76
  text "TP6" at 157.08,14.053 h0.76
  text "TP8" at 152.282,13.055 h0.76 r90
  text "TP5" at 155.983,10.239 h0.76
  text "TP7" at 153.039,10.115 h0.76
  text "G" at 8.4,7.018 h1.02
Bottom Overlay:
  drawing of 1237 lines, arcs and shapes, not listed
  text "MCX_DIO16_v1.0" at 124.75,65.25 h1.5
Bottom Paste:
  drawing of 164 lines, arcs and shapes, not listed
Mechanical 1:
  lines w0.1: 0,92 0,92 ; 0,92 0,81.025 0,7.625 0,5.625 0,0 159.995,0 159.995,100 0,100 0,92
Mechanical 2:
  lines w0.1: -2.544,-14.238 -2.544,108.444
  lines w0.2: -9.976,22.75 1.7,22.75 ; -7.8,85.25 1.7,85.25 ; -7.75,64.75 1.25,64.75 ; -7.25,12.493 1.7,12.493 ; -7.25,33 1.7,33 ; -6.857,54.5 1.25,54.5 ; -6.5,43.25 1.7,43.25 ; -6.25,75 1.7,75 ; -5.75,17.25 -4.775,17.25 ; -5.75,27.5 -4.775,27.5 ; -5.75,37.75 -4.775,37.75 ; -5.75,48 -4.775,48 ; -5.75,59.25 -4.775,59.25 ; -5.75,69.5 -4.775,69.5 ; -5.75,79.75 -4.775,79.75 ; -5.05,16.575 -5.05,18.15 ; -5.05,17.25 -4.5,17.25 ; -5.05,26.825 -5.05,28.4 ; -5.05,27.5 -4.5,27.5 ; -5.05,37.075 -5.05,38.65 ; -5.05,37.75 -4.5,37.75 ; -5.05,47.325 -5.05,48.9 ; -5.05,48 -4.5,48 ; -5.05,58.575 -5.05,60.15 ; -5.05,59.25 -4.5,59.25 ; -5.05,68.825 -5.05,70.4 ; -5.05,69.5 -4.5,69.5 ; -5.05,79.075 -5.05,80.65 ; -5.05,79.75 -4.5,79.75 ; 2.856,5.512 3.831,5.512 ; 2.856,94.412 3.831,94.412 ; 3.5,22.75 4.475,22.75 ; 3.5,33 4.475,33 ; 3.5,43.25 4.475,43.25 ; 3.5,54.5 4.475,54.5 ; 3.5,64.75 4.475,64.75 ; 3.5,75 4.475,75 ; 3.5,85.25 4.475,85.25 ; 3.507,12.5 4.482,12.5 ; 3.556,4.837 3.556,6.412 ; 3.556,5.512 4.106,5.512 ; 3.556,93.737 3.556,95.312 ; 3.556,94.412 4.106,94.412 ; 4.2,22.075 4.2,23.65 ; 4.2,22.75 4.75,22.75 ; 4.2,32.325 4.2,33.9 ; 4.2,33 4.75,33 4.75,33 ; 4.2,42.575 4.2,44.15 ; 4.2,43.25 4.75,43.25 ; 4.2,53.825 4.2,55.4 ; 4.2,54.5 4.75,54.5 ; 4.2,64.075 4.2,65.65 ; 4.2,64.75 4.75,64.75 4.75,64.75 ; 4.2,74.325 4.2,75.9 ; 4.2,75 4.75,75 ; 4.2,84.575 4.2,86.15 ; 4.2,85.25 4.75,85.25 ; 4.207,11.825 4.207,13.4 ; 4.207,12.5 4.757,12.5 ; 27.036,22.614 28.011,22.614 ; 27.736,21.939 27.736,23.514 ; 27.736,22.614 28.286,22.614 ; 43.57,29.22 44.545,29.22 ; 44.27,29.22 44.82,29.22 ; 44.27,28.545 44.27,30.12 ; -4.5,17.25 -4.5,17.25 ; -4.5,27.5 -4.5,27.5 ; -4.5,37.75 -4.5,37.75 ; -4.5,48 -4.5,48 ; -4.5,59.25 -4.5,59.25 ; -4.5,69.5 -4.5,69.5 ; -4.5,79.75 -4.5,79.75 ; 4.106,5.512 4.106,5.512 ; 4.106,94.412 4.106,94.412 ; 4.75,22.75 4.75,22.75 ; 4.75,43.25 4.75,43.25 ; 4.75,54.5 4.75,54.5 ; 4.75,75 4.75,75 ; 4.75,85.25 4.75,85.25 ; 4.757,12.5 4.757,12.5 ; 28.286,22.614 28.286,22.614 ; 44.82,29.22 44.82,29.22
Mechanical 13:
  lines w0.2: -5.05,-14.25 -5.05,98.225

## Text inside footprints (layer, text, board x,y; h text height)
J1: Top Overlay "30" at 40.333,64.145 h1.02 r90; Mechanical 14 "30" at 40.333,64.145 h1.02 r90
J2A: Top Overlay "30" at 157.051,20.873 h1.02 r270; Mechanical 14 "30" at 157.051,20.873 h1.02 r270
J2B: Top Overlay "30" at 138.281,20.899 h1.02 r270; Mechanical 14 "30" at 138.281,20.899 h1.02 r270
SW1: Top Overlay "4" at 79.633,42.696 h1 r270; Top Overlay "3" at 79.633,45.236 h1 r270; Top Overlay "ON" at 84.078,50.824 h1 r270; Top Overlay "2" at 79.633,47.776 h1 r270; Top Overlay "1" at 79.633,50.062 h1 r270; Mechanical 14 "4" at 79.633,42.696 h1 r270; Mechanical 14 "3" at 79.633,45.236 h1 r270; Mechanical 14 "ON" at 84.078,50.824 h1 r270; Mechanical 14 "2" at 79.633,47.776 h1 r270; Mechanical 14 "1" at 79.633,50.062 h1 r270
SW2A: Top Overlay "4" at 84.467,92.704 h1 r90; Top Overlay "3" at 84.467,90.164 h1 r90; Top Overlay "ON" at 80.022,84.576 h1 r90; Top Overlay "2" at 84.467,87.624 h1 r90; Top Overlay "1" at 84.467,85.338 h1 r90; Mechanical 14 "4" at 84.467,92.704 h1 r90; Mechanical 14 "3" at 84.467,90.164 h1 r90; Mechanical 14 "ON" at 80.022,84.576 h1 r90; Mechanical 14 "2" at 84.467,87.624 h1 r90; Mechanical 14 "1" at 84.467,85.338 h1 r90
SW2B: Top Overlay "4" at 84.617,79.479 h1 r90; Top Overlay "3" at 84.617,76.939 h1 r90; Top Overlay "ON" at 80.172,71.351 h1 r90; Top Overlay "2" at 84.617,74.399 h1 r90; Top Overlay "1" at 84.617,72.113 h1 r90; Mechanical 14 "4" at 84.617,79.479 h1 r90; Mechanical 14 "3" at 84.617,76.939 h1 r90; Mechanical 14 "ON" at 80.172,71.351 h1 r90; Mechanical 14 "2" at 84.617,74.399 h1 r90; Mechanical 14 "1" at 84.617,72.113 h1 r90